# Altium PCB TG102LE4G_A7682_240822.PcbDoc (part 2 of 2)
Units mm, origin at the board's own origin, x right, y up, seen from the top; angles counter-clockwise.
Board outline 55.2 x 96.65 mm, 4 copper layers (Top Layer, Signal1 Layer, Signal2 layer, Bottom Layer), stack 1.564 mm thick; 188 components, 128 nets, 611 pads, 382 vias.
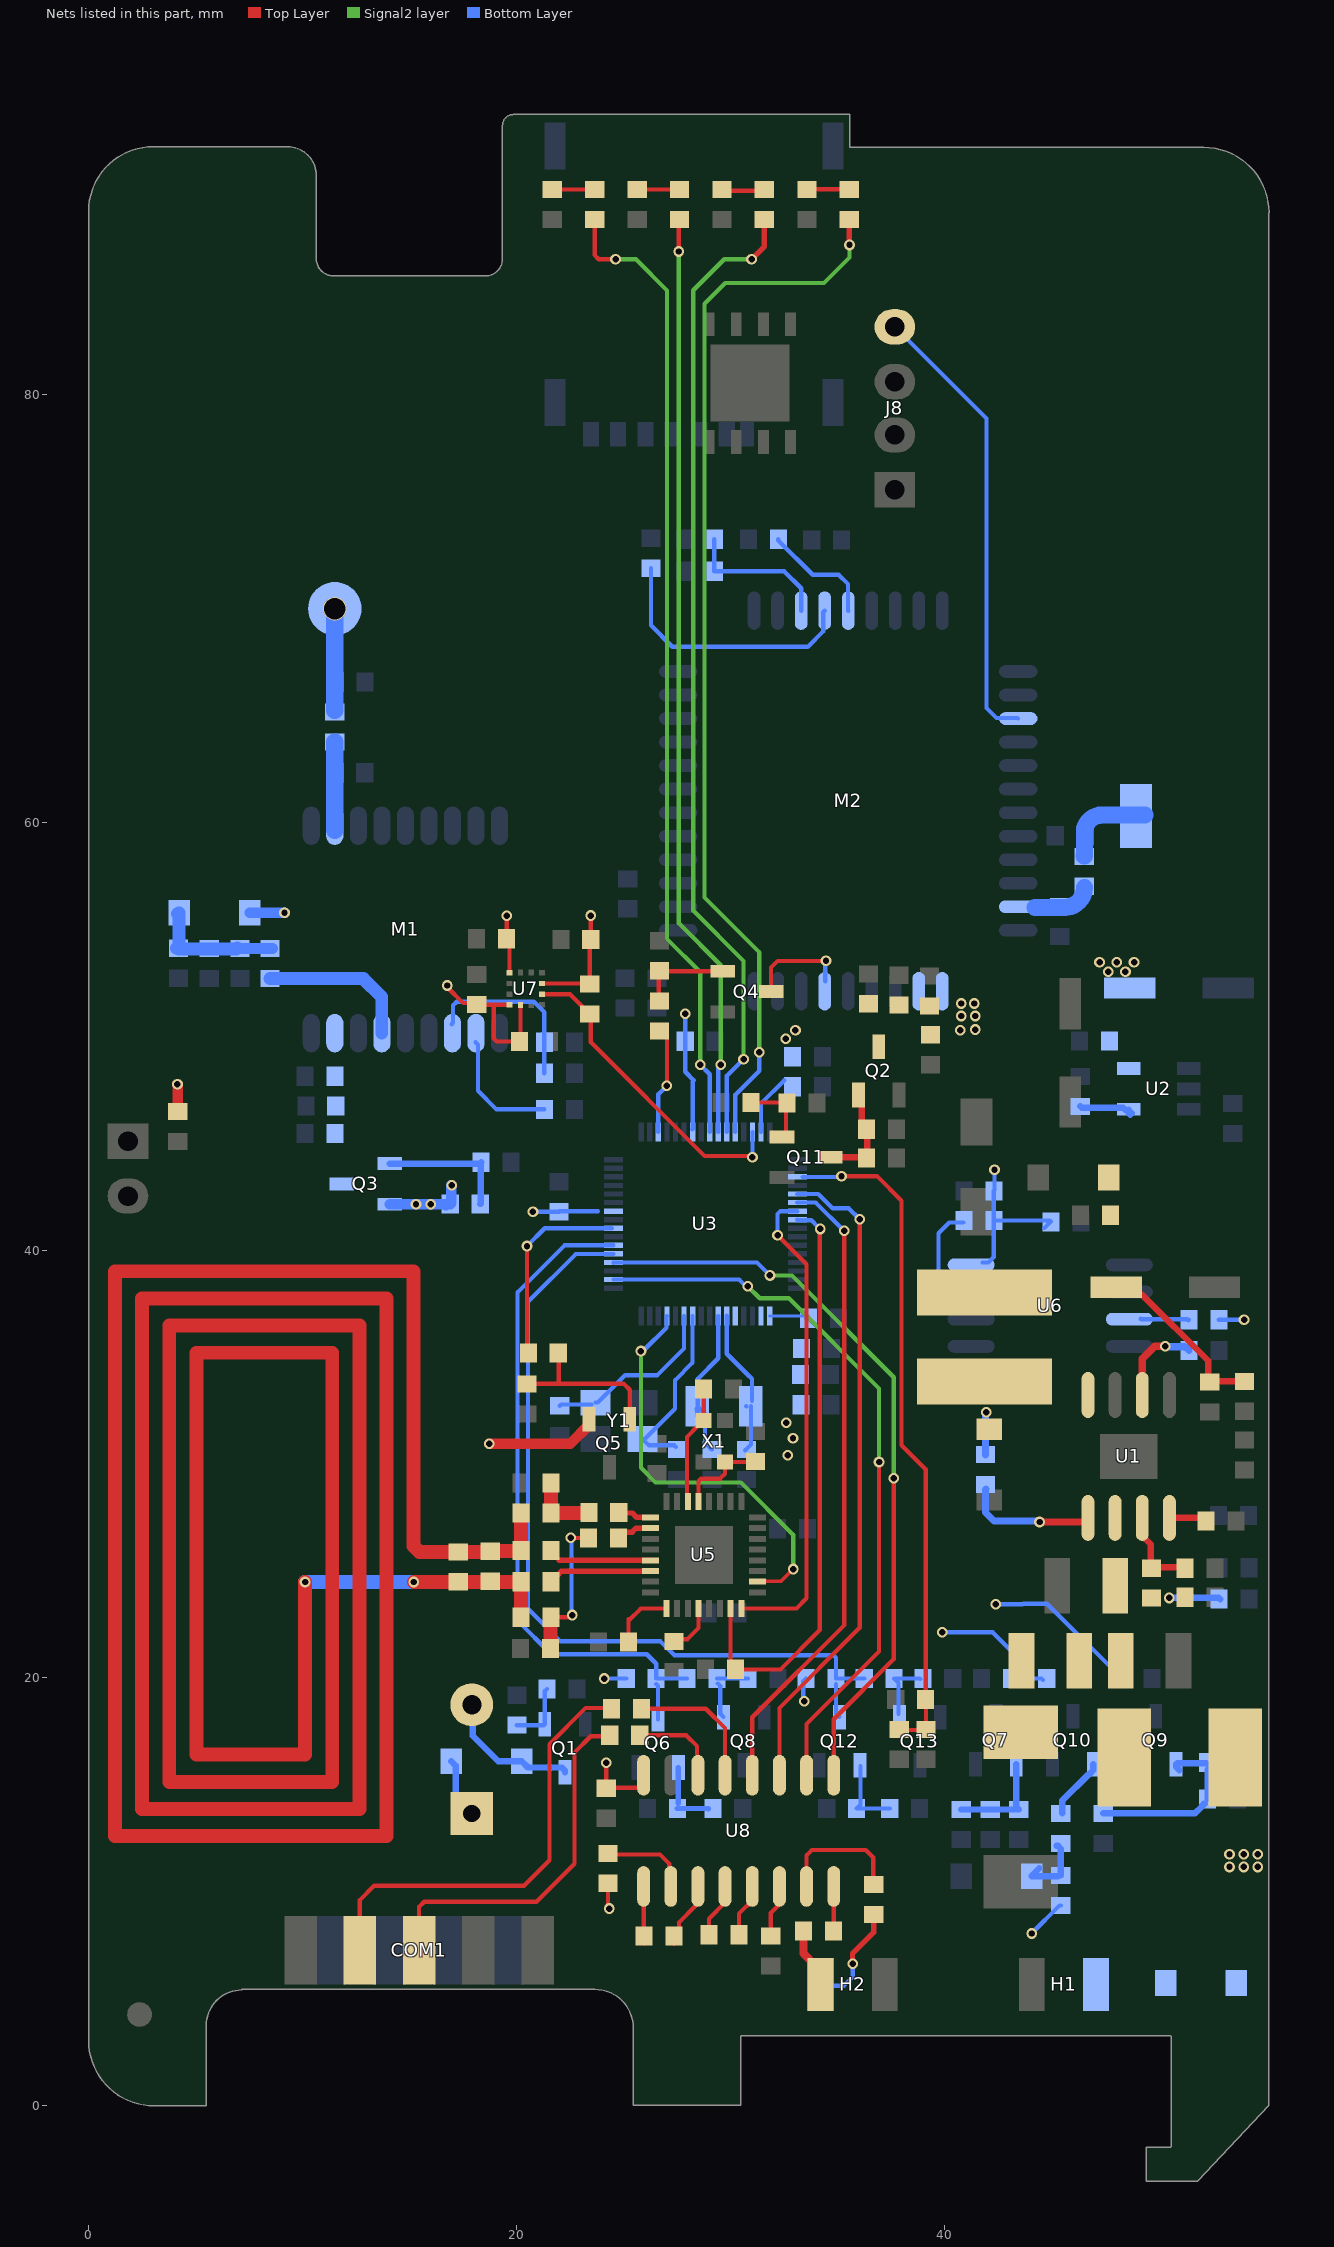
[diagram p4: the nets of this part, all layers, seen from the top]

## Via types
v1: diameter 0.5, hole 0.3, Top Layer to Bottom Layer, tented both sides, 382 vias

## Nets (pads, with @x,y where several pads share a name; then routed paths per layer and width w, separated by ;. In a path a pad name is that pad's centre, name@x,y a point inside that pad or via, vN(x,y) a via of type N, cw(c..) or ccw(c..) an arc to the next point about the centre after c; other vN are vias at no path point) (continued)
I2C_SDA: R46.1 U3.62 U7.2 | length 14.8
  Top Layer w0.203: U7.2@21.196,51.973 22.502,51.973 23.076,51.399 23.076,51.349 23.375,51.05 R46.1@23.425,51.05 ; R46.1@23.485,50.99 23.475,50.98 23.475,49.73 28.795,44.41 30.035,44.41 ; 30.035,44.405 30.975,44.405 v1(31.03,44.35)
  Bottom Layer w0.203: U3.62@31.032,45.529 31.031,45.527 31.031,44.434 v1@31.035,44.43
LED_DRI: R67.2 U3.60 | length 49.7
  Top Layer w0.254: R67.2@35.557,88.2 35.557,87.023 v1(35.57,87.01)
  Signal2 layer w0.203: v1(31.355,49.255) 31.355,53.929 28.79,56.494 28.79,84.262 29.758,85.23 34.38,85.23 35.57,86.42 v1(35.57,87.01)
  Bottom Layer w0.203: U3.60@30.232,45.529 30.232,47.272 31.355,48.395 v1(31.355,49.255)
LED_GPS: R66.2 U3.59 | length 46.1
  Top Layer w0.254: v1(30.99,86.34) 31.588,86.938 R66.2@31.588,88.2
  Signal2 layer w0.203: v1(30.615,48.935) 30.615,53.525 28.26,55.88 28.26,84.89 29.71,86.34 v1(30.99,86.34)
  Bottom Layer w0.203: U3.59@29.832,45.529 29.832,48.152 v1(30.615,48.935)
LED_GSM: R64.2 U3.57 | length 46
  Top Layer w0.2: R64.2@23.701,88.2 R64.2@23.651,88.2 23.651,86.535 23.846,86.34 v1(24.63,86.34)
  Signal2 layer w0.2: v1(24.63,86.34) 25.583,86.34 27.04,84.883 27.04,54.56 28.587,53.013 v1(28.587,48.673)
  Bottom Layer w0.2: v1@28.595,48.665 29.032,48.228 U3.57@29.032,45.529
LED_MEM: R65.2 U3.58 | length 43.5
  Top Layer w0.2: v1(27.59,86.704) 27.59,88.17 R65.2@27.62,88.2
  Signal2 layer w0.2: v1(27.59,86.704) 27.59,55.29 29.55,53.33 v1(29.55,48.673)
  Bottom Layer w0.2: U3.58@29.432,45.529 29.432,48.474 29.53,48.572 v1@29.53,48.6
MCU_AIR: Q12.3 R23.1 R74.1 U3.37 | length 38.5
  Bottom Layer w0.2: U3.37@24.532,39.829 22.774,39.829 20.539,37.594 20.539,23.231 22.06,21.71 26.732,21.71 27.381,21.061 34.822,21.061 34.939,20.944 R23.1@34.939,19.971 R74.1@36.257,19.971 ; R23.1@34.939,19.7 34.939,18.341 Q12.3@35.09,18.19
MCU_DOOR: Q6.3 R47.1 R55.1 U3.38 | length 31.9
  Bottom Layer w0.2: U3.38@24.532,40.229 22.239,40.229 20.04,38.03 20.04,22.69 21.621,21.109 26.087,21.109 26.53,20.666 R47.1@26.53,19.97 R55.1@27.97,19.971 ; R47.1@26.529,19.71 26.619,19.62 Q6.3@26.619,18.059
NetAT1_1: AT1.1 C25.2 R11.2 | length 4.8
  Bottom Layer w0.8: R11.2@11.5,65.24 AT1.1@11.5,70
NetAT2_1: AT2.1 C35.2 R26.2 | length 4.4
  Bottom Layer w0.8: R26.2@46.545,58.435 46.55,58.44 46.55,59.523 cw(c47.377,59.523) 47.377,60.35 AT2.1@49.38,60.35
NetC1_1: C1.1 U1.1 | length 6.1
  Top Layer w0.338: v1@44.46,27.29 46.6,27.29 46.721,27.411 U1.1@46.721,27.481
  Bottom Layer w0.338: C1.1@41.957,28.83 41.951,28.83 41.93,28.809 41.93,27.737 42.327,27.34 v1@44.427,27.34
  other v1: 44.457,27.29
NetC1_2: C1.2 D4.2 L2.1 U1.8 | length 2
  Bottom Layer w0.338: C1.2@41.93,30.44 41.93,32.346 41.97,32.386 v1(41.97,32.43)
NetC3_1: C3.1 C4.2 C5.2 D8.1 L2.2 R3.2 | length 8.1
  Top Layer w0.3: C3.1@48.305,38.225 48.61,37.92 49.247,37.92 52.341,34.826 52.341,33.913 C4.2@52.415,33.84 52.445,33.87 R3.2@54.04,33.87
NetC9_1: C9.1 U2.4 | length 2.4
  Bottom Layer w0.3: C9.1@46.36,46.73 46.429,46.661 48.368,46.661 U2.4@48.46,46.57 ; U2.4@48.637,46.41 U2.4@48.637,46.57 ; U2.4@48.69,46.34 U2.4@48.76,46.41
NetC14_2: C14.2 U3.17 | length 2.2
  Bottom Layer w0.152: U3.17@31.832,36.929 C14.2@33.621,36.929 ; C14.2@33.556,36.85 C14.2@33.681,36.725 ; C14.2@33.645,36.79 C14.2@33.785,36.65
  Bottom Layer w0.2: C14.2@33.531,36.825 C14.2@33.581,36.775
NetC23_2: C23.2 C30.2 C31.2 D7.2 R21.1 | length 6.2
  Bottom Layer w0.5: C31.2@6.94,54.106 R21.1@8.583,54.106
  Bottom Layer w0.6: C30.2@4.095,54.125 4.123,54.125 4.218,54.22 D7.2@4.218,55.785 ; D7.2@4.15,55.735 D7.2@4.16,55.745 ; C30.2@4.19,54.08 6.89,54.08 C31.2@6.94,54.13
NetC32_2: C32.2 M1.11 R11.1 | length 4.1
  Bottom Layer w0.8: M1.11@11.5,59.64 C32.2@11.5,62.325 R11.1@11.5,63.765
NetC40_1: C40.1 U5.9 | length 3
  Top Layer w0.2: C40.1@25.239,21.76 25.239,22.755 ; 25.239,22.675 25.814,23.25 U5.9@27.01,23.25
NetC41_1: C41.1 C42.2 R39.2 | length 7
  Top Layer w0.203: C41.1@21.607,22.835 22.421,22.835 22.526,22.94 v1(22.606,22.94) ; v1(22.54,26.55) 22.55,26.54 R39.2@23.372,26.54
  Top Layer w0.65: C42.2@21.59,21.38 21.59,22.818 C41.1@21.607,22.835
  Bottom Layer w0.203: v1(22.54,26.55) 22.57,26.52 22.57,22.976 v1(22.606,22.94)
NetC41_2: C41.2 C43.1 C43.2 C44.1 C44.2 C46.2 R38.2 R41.2 | length 274.6
  Top Layer w0.65: v1(10.109,24.486) 10.109,16.411 5.029,16.411 5.029,35.207 11.379,35.207 11.379,15.141 3.759,15.141 3.759,36.477 12.649,36.477 12.649,13.871 2.489,13.871 2.489,37.747 13.919,37.747 13.919,12.601 1.219,12.601 1.219,39.017 15.189,39.017 15.189,26.162 15.464,25.887 16.167,25.887 18.735,25.887 C44.1@18.771,25.922 18.789,25.941 20.186,25.941 R41.2@20.204,25.959 C46.2@20.204,27.711 ; v1@15.191,24.487 16.167,24.487 20.194,24.487 R38.2@20.207,24.5 C41.2@20.207,22.835 ; 15.456,25.891 15.462,25.885 15.988,25.885 15.989,25.887
  Bottom Layer w0.65: v1(10.109,24.486) v1(15.189,24.486)
NetC45_1: C45.1 C46.1 R40.2 | length 2.8
  Top Layer w0.65: C45.1@21.61,29.12 21.604,29.114 C46.1@21.604,27.711 22.947,27.711
NetC48_2: C48.2 U5.30 X1.3 | length 5.4
  Top Layer w0.203: U5.30@27.971,28.471 27.971,31.27 28.476,31.775 28.476,31.8 28.725,32.048 X1.3@28.75,32.048 28.75,33.5 C48.2@28.74,33.51
NetC49_2: C49.2 U5.29 X1.1 | length 4.6
  Top Layer w0.203: U5.29@28.51,27.95 U5.29@28.51,28.25 28.51,29.201 28.629,29.32 29.519,29.32 29.75,29.551 X1.1@29.75,30.098 31.148,30.098 C49.2@31.17,30.12
NetC55_2: C55.2 Q7.1 R53.1 R56.2 | length 4.9
  Bottom Layer w0.3: R53.1@40.791,13.845 R56.2@42.155,13.845 43.369,13.845 C55.2@43.484,13.845 43.369,13.96 Q7.1@43.369,15.957
NetC56_2: C56.2 Q9.1 R5.1 R59.2 | length 8.2
  Bottom Layer w0.3: R5.1@47.43,13.665 51.725,13.665 52.06,14 52.06,14.04 52.14,14.12 R59.2@52.18,14.12 ; Q9.1@50.987,15.69 50.837,15.84 Q9.1@50.837,15.957 50.891,16.01 C56.2@52.25,16.01 ; R59.2@52.31,14.34 52.31,15.7 C56.2@52.37,15.76
NetC57_1: C57.1 U8.2 | length 3.5
  Top Layer w0.2: C57.1@24.28,11.74 26.71,11.74 27.135,11.315 U8.2@27.135,10.875
NetC59_1: C59.1 U8.3 | length 2.2
  Top Layer w0.2: C59.1@27.36,7.57 C59.1@27.593,7.803 ; C59.1@27.593,8.163 27.593,8.563 28.405,9.375 28.405,9.625 U8.3@28.45,9.67
NetC59_2: C59.2 U8.1 | length 2.3
  Top Layer w0.2: C59.2@25.942,7.588 C59.2@25.97,7.56 ; C59.2@25.942,7.948 U8.1@25.942,10.248
NetC60_1: C60.1 U8.5 | length 2
  Top Layer w0.2: C60.1@30.4,7.99 30.4,8.976 31.05,9.626 U8.5@31.05,9.75
NetC60_2: C60.2 U8.4 | length 2.2
  Top Layer w0.2: C60.2@29,7.99 29,8.74 29.752,9.492 U8.4@29.752,9.912
NetC61_2: C61.2 U8.6 | length 2.5
  Top Layer w0.2: C61.2@31.89,7.93 31.89,9.01 32.215,9.335 32.215,10.172 U8.6@32.292,10.248
NetC66_1: C66.1 Q2.1 Q11.3 R15.2 | length 4.9
  Top Layer w0.3: Q11.3@34.665,44.345 36.255,44.345 R15.2@36.335,44.425 ; Q2.1@35.985,47.26 36.135,47.11 36.135,45.845 C66.1@36.3,45.68 ; C66.1@36.37,45.655 36.407,45.618 36.407,44.353 R15.2@36.5,44.26
NetC68_2: C68.2 U1.6 | length 4.2
  Top Layer w0.338: U1.6@49.261,33.231 49.261,34.931 49.84,35.51 v1(50.34,35.51)
  Bottom Layer w0.338: v1(50.34,35.51) 50.36,35.49 51.26,35.49 C68.2@51.44,35.31
NetD1_2: D1.2 F1.1
  other v1: 53.34,11.16 54,11.16 54.66,11.16 53.34,11.76 54,11.76 54.66,11.76
NetD2_2: D2.2 F1.2 L1.1
NetD5_1: D5.1 LS1.2 Q1.3 | length 6.5
  Bottom Layer w0.3: LS1.2@17.907,18.745 17.955,18.697 17.955,17.295 19.146,16.104 D5.1@20.245,16.104 20.539,15.809 22.116,15.809 22.266,15.659 Q1.3@22.266,15.581
NetD9_1: D9.1 R61.1 R62.1 | length 3.3
  Bottom Layer w0.3: D9.1@44.447,11.096 44.097,10.746 D9.1@44.097,10.721 R61.1@45.319,10.721 ; R62.1@45.25,12.16 45.301,12.16 45.445,12.016 R61.1@45.445,10.759
NetD10_1: D10.1 R64.1 | length 1.9
  Top Layer w0.2: D10.1@21.673,89.6 23.5,89.6 R64.1@23.58,89.52
NetD11_1: D11.1 R65.1 | length 2
  Top Layer w0.2: D11.1@25.642,89.6 27.57,89.6 R65.1@27.62,89.55
NetD12_1: D12.1 R66.1 | length 2
  Top Layer w0.203: D12.1@29.61,89.6 29.66,89.55 R66.1@31.58,89.55
NetD13_1: D13.1 R67.1 | length 1.9
  Top Layer w0.2: D13.1@33.579,89.6 33.589,89.61 R67.1@35.5,89.61
NetM1_2: M1.2 R19.2 | length 5.8
  Bottom Layer w0.203: M1.2@18.08,49.725 18.195,49.61 18.195,47.455 19.065,46.585 R19.2@21.302,46.585
NetM1_3: M1.3 R20.2 R22.1 | length 8.2
  Bottom Layer w0.203: M1.3@16.97,50.575 17.03,50.635 17.03,51.45 17.2,51.62 20.81,51.62 21.302,51.128 R22.1@21.302,49.729 ; R20.2@21.302,48.281 R22.1@21.302,49.683
NetQ1_1: Q1.1 R7.1 R8.2 | length 3
  Bottom Layer w0.2: R8.2@20.015,17.791 21.276,17.791 Q1.1@21.316,17.831 21.316,19.374 R7.1@21.423,19.482
NetQ3_1: Q3.1 R14.2 R16.2 | length 6.2
  Bottom Layer w0.3: Q3.1@14.078,44.053 18.285,44.053 R16.2@18.321,44.089 ; R14.2@18.3,42.16 18.321,42.181 R16.2@18.321,44.089 ; R16.2@18.343,44.11 R16.2@18.321,44.089
NetQ4_1: Q4.1 R25.1 R27.2 | length 4.4
  Top Layer w0.203: R25.1@26.69,51.652 26.65,51.692 26.65,53.05 29.646,53.05 Q4.1@29.651,53.045
NetQ5_1: Q5.1 R12.2 R34.2 | length 7.7
  Top Layer w0.203: R12.2@20.49,33.75 21.98,33.75 ; R34.2@21.95,35.19 21.98,35.16 21.98,33.75 ; Q5.1@25.29,32.105 25.29,33.479 25.019,33.75 21.98,33.75
NetQ6_1: Q6.1 R51.1 R54.2 | length 3.1
  Bottom Layer w0.254: R54.2@27.522,13.894 28.966,13.894 R51.1@28.97,13.89 ; R54.2@27.569,14.131 Q6.1@27.569,15.809
NetQ8_1: Q8.1 R55.2 R58.2 | length 3.1
  Bottom Layer w0.2: R55.2@29.37,19.971 R58.2@30.82,19.971 ; R55.2@29.415,19.736 29.53,19.621 29.53,18.321 Q8.1@29.682,18.168
NetQ10_1: Q10.1 R62.2 | length 2.9
  Bottom Layer w0.3: R62.2@45.51,13.681 45.51,14.249 46.743,15.482 46.769,15.482 46.969,15.682 Q10.1@46.969,15.957
NetQ11_1: Q11.1 R17.1 R71.1 | length 3.3
  Top Layer w0.2: R71.1@30.965,46.905 R17.1@32.595,46.905 ; Q11.1@32.605,45.235 32.605,46.835 R17.1@32.655,46.885
NetQ12_1: Q12.1 R72.1 R73.2 | length 3.6
  Bottom Layer w0.2: Q12.1@36.08,15.87 36.08,14.069 R73.2@35.904,13.894 R72.1@37.451,13.894
NetQ13_1: Q13.1 R74.2 R75.2 | length 3
  Bottom Layer w0.2: Q13.1@37.86,18.33 37.86,19.768 R74.2@37.657,19.971 38.859,19.971 R75.2@38.88,19.95
NetR1_1: R1.1 R2.2 U1.3 | length 4
  Top Layer w0.3: U1.3@49.261,27.481 49.261,26.636 49.65,26.247 R1.1@49.65,25.25 ; R1.1@49.687,25.13 49.737,25.18 R2.2@51.23,25.18
NetR37_1: R37.1 U5.12 | length 2.3
  Top Layer w0.2: R37.1@27.36,21.706 27.467,21.813 27.993,21.813 28.51,22.33 U5.12@28.51,23.25
NetR38_1: R38.1 U5.6 | length 4.9
  Top Layer w0.254: R38.1@21.607,24.5 21.607,24.55 21.88,24.823 21.93,24.823 22.097,24.99 U5.6@26.26,24.99
NetR39_1: R39.1 U5.2 | length 1.7
  Top Layer w0.254: R39.1@24.772,26.54 24.772,26.544 25.045,26.817 25.407,26.817 25.59,27 U5.2@26.26,27
NetR40_1: R40.1 U5.1 | length 1.1
  Top Layer w0.254: R40.1@24.78,27.74 24.807,27.713 25.412,27.713 25.617,27.508 25.833,27.508
NetR41_1: R41.1 U5.5 | length 4.8
  Top Layer w0.254: R41.1@21.604,25.909 22.003,25.51 U5.5@26.26,25.51
NetR42_1: R42.1 U6.3 | length 2.3
  Bottom Layer w0.203: U6.3@49.19,36.8 49.215,36.775 51.365,36.775 51.41,36.73 51.42,36.73 R42.1@51.44,36.75
NetR44_1: R44.1 U6.7 | length 5.2
  Bottom Layer w0.203: R44.1@40.892,41.299 40.239,41.299 39.73,40.79 39.73,38.79 40.475,38.045 U6.7@41.26,38.045
NetR63_1: R63.1 U8.14 | length 3.9
  Top Layer w0.2: R63.1@25.76,17.32 27.93,17.32 28.44,16.81 28.44,15.86 U8.14@28.51,15.79
NetR68_1: R68.1 U8.13 | length 6
  Top Layer w0.2: R68.1@25.84,18.56 28.85,18.56 29.752,17.658 29.752,16.032 U8.13@29.72,16
NetR69_1: R69.1 U8.7 | length 6.1
  Top Layer w0.2: U8.7@33.562,10.248 33.562,11.702 33.81,11.95 36.33,11.95 36.68,11.6 R69.1@36.68,10.35
NetR70_1: R70.1 U8.8 | length 2.1
  Top Layer w0.2: R70.1@34.8,8.17 34.832,8.202 U8.8@34.832,10.248
NetR76_2: R76.2 U1.4 | length 1.8
  Top Layer w0.3: U1.4@50.531,27.481 52.099,27.481 R76.2@52.24,27.34
OMCU_ADC_5V: C54.2 R49.1 R52.2 U3.3 | length 31.7
  Top Layer w0.2: v1(35.195,43.465) 36.855,43.465 38.005,42.315 38.005,30.88 39.13,29.755 C54.2@39.13,18.99 ; R52.2@37.76,17.56 39.115,17.56 R49.1@39.15,17.595 39.15,18.805 C54.2@39.055,18.9
  Bottom Layer w0.2: U3.3@33.385,43.425 35.155,43.425 v1(35.195,43.465)
OSC1: C18.2 U3.27 Y1.1 | length 8.2
  Bottom Layer w0.2: C18.2@22.025,32.725 22.09,32.79 Y1.1@23.5,32.79 ; Y1.1@23.695,32.875 23.795,32.875 25.08,34.16 26.585,34.16 27.832,35.407 U3.27@27.832,36.929
OSC2: C19.2 U3.26 Y1.3 | length 8.5
  Bottom Layer w0.2: C19.2@27.445,30.8 27.37,30.875 26.195,30.875 Y1.3@25.895,31.175 25.995,31.175 27.405,32.585 27.405,33.915 28.232,34.742 U3.26@28.232,36.929
PWK_GSM: M2.39 Q4.3 | length 4.8
  Top Layer w0.2: Q4.3@31.901,52.095 31.901,53.221 32.21,53.53 v1(34.47,53.53)
  Bottom Layer w0.2: M2.39@34.44,52.58 34.44,53.5 v1(34.47,53.53)
PWRKEY_GSM: R25.2 U3.51 | length 5.5
  Top Layer w0.2: R25.2@26.69,50.186 R25.2@26.982,50.478 ; R25.2@26.69,50.252 26.73,50.252 27.03,49.952 v1(27.03,47.695)
  Bottom Layer w0.2: U3.51@26.632,45.529 26.632,47.297 v1(27.03,47.695)
RF_ANT: C36.2 M2.32 R26.1 | length 2.8
  Bottom Layer w0.8: M2.32@44.235,56.03 45.635,56.03 ccw(c45.635,56.95) R26.1@46.555,56.95
RFID_EN: R34.1 U3.40 | length 9.3
  Top Layer w0.2: v1(20.49,40.194) 20.49,35.25 R34.1@20.55,35.19
  Bottom Layer w0.2: v1(20.49,40.194) 21.321,41.025 U3.40@24.455,41.025
RFID_SPI_CS: R36.1 U3.8 U5.15 | length 27.5
  Top Layer w0.2: U5.15@30.009,23.25 30.009,20.857 30.42,20.446 30.42,20.396 32.338,20.396 34.18,22.238 34.18,40.98 v1(34.195,40.995)
  Bottom Layer w0.2: U3.8@33.132,41.429 33.157,41.404 33.786,41.404 34.097,41.093 34.173,41.093 v1@34.195,41.115
RFID_SPI_MISO: U3.7 U5.16 | length 22.9
  Top Layer w0.2: U5.16@30.509,23.25 33.09,23.25 33.562,23.722 33.562,39.343 v1(32.205,40.7)
  Bottom Layer w0.2: v1@32.225,40.605 32.205,40.625 v1(32.205,40.7) 32.205,41.691 32.342,41.829 U3.7@33.132,41.829
RFID_SPI_SCK: U3.29 U5.18 | length 19.6
  Top Layer w0.173: U5.18@31.26,24.5 31.276,24.516 32.368,24.516 v1(32.94,25.09) v1(32.94,25.09)
  Signal2 layer w0.2: v1(25.815,35.285) 25.815,29.825 26.5,29.14 30.49,29.14 32.94,26.69 v1(32.94,25.09)
  Bottom Layer w0.2: v1(25.815,35.285) 25.872,35.342 25.975,35.342 27.007,36.375 27.007,36.904 U3.29@27.032,36.929
RX1: H2.2 R70.2 | length 2.3
  Top Layer w0.381: R70.2@33.42,8.16 33.42,7.106 34.01,6.516 H2.2@34.01,6.06
RX-232: COM1.2 R68.2 | length 20.9
  Top Layer w0.2: COM1.2@12.673,7.264 12.673,9.613 13.34,10.28 20.35,10.28 21.54,11.47 21.54,16.9 23.23,18.59 R68.2@24.37,18.59
SIM_CLK: M2.16 R31.1 | length 12.4
  Bottom Layer w0.203: R31.1@26.289,71.893 26.289,69.221 27.286,68.224 33.624,68.224 34.336,68.936 34.336,69.837 M2.16@34.409,69.911
SIM_IO: C38.2 M2.15 R32.1 | length 6.9
  Bottom Layer w0.203: R32.1@29.248,73.244 C38.2@29.248,71.746 32.522,71.746 33.309,70.959 M2.15@33.309,69.911
SIM_RST: M2.17 R30.1 | length 5.4
  Bottom Layer w0.203: R30.1@32.242,73.244 32.242,73.194 33.85,71.586 35.061,71.586 35.499,71.149 35.499,69.921 M2.17@35.509,69.911
TX1: H2.1 R69.2 | length 4.6
  Top Layer w0.254: v1(35.72,6.64) 35.71,6.65 35.71,7.11 36.7,8.1 R69.2@36.7,8.94
  Bottom Layer w0.2: H2.1@34.59,5.61 35.31,5.61 35.72,6.02 v1(35.72,6.64)
TX-232: COM1.3 R63.2 | length 17.3
  Top Layer w0.2: COM1.3@15.443,7.264 15.443,9.293 15.68,9.53 20.93,9.53 22.71,11.31 22.71,16.51 23.47,17.27 R63.2@24.36,17.27
UART_RX_COM: U3.6 U8.12 | length 30
  Top Layer w0.2: U8.12@31.022,15.448 31.022,18.163 35.33,22.471 v1(35.33,40.91)
  Bottom Layer w0.2: U3.6@33.132,42.229 33.986,42.229 35.305,40.91 v1(35.33,40.91)
UART_RX_MX: U3.34 U8.10 | length 34
  Top Layer w0.2: U8.10@33.562,15.448 33.562,17.842 36.952,21.232 v1(36.952,30.098)
  Signal2 layer w0.2: v1(30.815,38.31) 31.37,37.755 32.735,37.755 36.952,33.538 v1(36.952,30.098)
  Bottom Layer w0.2: U3.34@24.532,38.629 24.539,38.635 30.409,38.635 30.734,38.31 v1(30.815,38.31)
UART_TX_COM: U3.5 U8.11 | length 31
  Top Layer w0.2: U8.11@32.292,15.448 32.292,18.592 36.05,22.35 36.05,41.44 v1(36.045,41.445)
  Bottom Layer w0.2: U3.5@33.132,42.629 34.111,42.629 34.78,41.96 35.53,41.96 v1(36.045,41.445)
UART_TX_MX: U3.36 U8.9 | length 35.1
  Top Layer w0.203: U8.9@34.832,15.448 34.832,18.072 37.64,20.88 v1(37.64,29.34)
  Signal2 layer w0.203: v1(31.849,38.822) 32.883,38.822 37.64,34.065 v1(37.64,29.34)
  Bottom Layer w0.203: U3.36@24.532,39.405 U3.36@24.556,39.429 ; U3.36@24.532,39.429 U3.36@24.556,39.429 ; v1(31.849,38.822) 31.243,39.429 30.681,39.429 U3.36@24.556,39.429
V_CHECK: C2.2 C24.2 C33.2 L1.2 R1.2 R6.2 U1.2 | length 2.4
  Bottom Layer w0.3: v1(50.52,23.74) 52.84,23.74 R6.2@52.905,23.675
V_MCU: C7.2 C10.2 C11.2 C12.2 C13.1 C15.2 C16.2 C17.2 C26.1 C50.2 C51.2 C52.2 C53.2 C57.2 C58.2 D5.2 D7.1 LS1.1 Q3.2 Q5.2 R10.1 R14.1 R23.2 R42.2 R43.2 R44.2 R45.2 R46.2 R47.2 R48.2 R50.2 R60.2 R61.2 U2.5 U3.18 U3.21 U3.42 U3.55 U3.63 U6.8 U7.3 U7.7 U7.10 U7.11 U8.16 | length 73.4
  Top Layer w0.2: v1(16.76,52.38) 16.76,52.299 17.502,51.557 18.078,51.557 18.162,51.473 18.928,51.473 ; v1(19.535,55.637) C53.2@19.535,54.56 19.671,54.424 U7.7@19.671,52.973 ; U7.10@19.671,51.473 18.928,51.473 ; U7.11@20.183,51.461 20.183,49.808 R45.2@20.135,49.76 19.078,49.76 18.928,49.91 18.928,51.473 ; U7.3@21.196,52.473 23.402,52.473 R46.2@23.425,52.45 23.425,54.488 C52.2@23.472,54.535 23.472,55.643 v1(23.465,55.65) ; C58.2@24.19,14.84 v1(24.19,16.032) ; C57.2@24.28,10.397 24.28,9.356 24.34,9.296 v1(24.34,9.215) ; C58.2@24.295,14.735 24.425,14.865 25.757,14.865 25.9,15.008 U8.16@25.9,15.08
  Top Layer w0.5: v1(4.141,47.758) 4.16,47.739 R10.1@4.16,46.48 ; v1(18.72,30.951) 21.98,30.951 ; 21.98,30.945 22.505,30.945 23.39,31.83 Q5.2@23.39,32.105
  Bottom Layer w0.2: v1(20.765,41.805) 21.985,41.805 C13.1@21.99,41.8 22.012,41.822 23.812,41.822 ; v1(24.1,19.97) R47.2@25.13,19.97 ; v1(33.459,18.905) 33.413,18.951 33.413,19.844 R23.2@33.539,19.971 ; v1(39.91,22.13) 42.27,22.13 43.15,21.25 R48.2@43.15,19.97 44.55,19.97 R60.2@44.62,19.9 ; U6.8@41.79,39.43 42.067,39.43 42.318,39.681 R44.2@42.318,41.394 ; v1(42.352,43.766) 42.352,42.806 C50.2@42.318,42.772 R44.2@42.318,41.394 ; v1(42.41,23.45) 43.67,23.45 43.69,23.47 44.81,23.47 47.96,20.32 48.01,20.32 48.31,20.02 R50.2@48.31,19.97 ; v1(44.093,8.049) 44.093,8.057 45.395,9.359 R61.2@45.445,9.359 ; R43.2@44.681,41.044 44.981,41.344 44.931,41.394 R44.2@42.318,41.394 ; R42.2@52.84,36.75 53.89,36.75 v1@53.98,36.66
  Bottom Layer w0.203: C10.2@27.887,49.725 27.887,48.345 28.291,47.941 28.232,47.882 28.232,45.667 U3.55@28.22,45.655 ; C10.2@27.887,49.775 v1(27.887,51.054) ; U3.63@31.432,45.529 31.432,46.857 C12.2@32.525,47.95
  Bottom Layer w0.3: D5.2@16.941,16.104 17.16,15.884 17.16,14.412 LS1.1@17.907,13.665
  Bottom Layer w0.5: D7.1@7.522,55.785 8.85,55.785 8.86,55.775 9.14,55.775 v1(9.15,55.785) ; Q3.2@14.078,42.153 14.082,42.156 v1(15.297,42.156) v1(15.986,42.156) 16.896,42.156 R14.1@16.9,42.16 16.948,42.208 16.948,43.023 v1(16.964,43.039) ; R14.1@16.657,42.143 R14.1@16.69,42.11
  other v1: 32.677,30.408 32.927,31.208 32.612,31.928 54.02,36.75 32.585,49.89 33.04,50.28 47.666,53.016 48.473,53.016 47.263,53.474 48.069,53.474 48.876,53.474
VBK: M1.6 R21.2 | length 7.2
  Bottom Layer w0.6: R21.2@8.47,52.71 R21.2@8.476,52.704 ; R21.2@8.505,52.7 12.835,52.7 13.7,51.835 M1.6@13.7,50.15
VBUS: J8.4 M2.24 | length 21.3
  Bottom Layer w0.178: J8.4@37.69,83.18 41.974,78.896 41.974,65.353 42.44,64.887 43.433,64.887 M2.24@43.459,64.861
VCC_GPS: C28.2 C29.2 C64.2 M1.8 Q3.3
VCC_GSM: C27.2 C34.2 C62.2 C63.2 M2.34 M2.35 Q2.3
  other v1: 40.742,50.292 41.453,50.317 40.792,50.952 41.453,50.952 40.792,51.537 41.402,51.537
VIN: D1.1 H1.3
"XT32K 1": C21.2 U3.22 Y2.1 | length 6.7
  Bottom Layer w0.203: U3.22@29.832,36.929 29.832,35.155 30.882,34.105 30.891,34.105 31.01,33.986 Y2.1@31.01,32.96 ; C21.2@30.685,30.64 C21.2@30.75,30.705 ; Y2.1@30.74,32.705 Y2.1@30.75,32.695 ; C21.2@30.75,30.685 C21.2@30.75,30.705 ; Y2.1@30.96,32.705 30.96,30.915 C21.2@30.75,30.705
"XT32K 2": C22.2 U3.23 Y2.2 | length 8.1
  Bottom Layer w0.2: Y2.2@28.411,32.581 Y2.2@28.462,32.303 ; Y2.2@28.446,32.388 Y2.2@28.462,32.303 ; Y2.2@28.46,32.705 Y2.2@28.47,32.695 ; Y2.2@28.47,32.34 28.47,32.581 Y2.2@28.47,32.695 ; Y2.2@28.543,31.855 Y2.2@28.462,32.303 ; C22.2@29.136,30.685 29.115,30.685 28.815,30.985 28.815,32.35 Y2.2@28.47,32.695 ; U3.23@29.432,36.929 29.432,34.947 28.47,33.985 Y2.2@28.47,32.695
pads on no net: COM1.1 COM1.4 COM1.6 COM1.7 COM1.8 COM1.9 J2.6 J2.CD M1.4 M1.5 M1.7 M1.9 M1.13 M1.14 M1.15 M1.16 M1.17 M1.18 M2.3 M2.4 M2.5 M2.6 M2.7 M2.9 M2.10 M2.11 M2.12 M2.14 M2.20 M2.22 M2.23 M2.28 M2.29 M2.38 M2.40 M2.41 M2.42 U3.9 U3.10 U3.20 U3.24 U3.25 U3.28 U3.30 U3.31 U3.32 U3.33 U3.41 U3.44 U3.45 U3.46 U3.48 U3.52 U5.3 U5.4 U5.7 U5.10 U5.11 U5.14 U5.23 U5.24 U5.25 U5.26 U5.27 U5.28 U7.5 U9.2 U9.4 U9.5